# Allegro board A527_draft_V1_0.brd (continued)
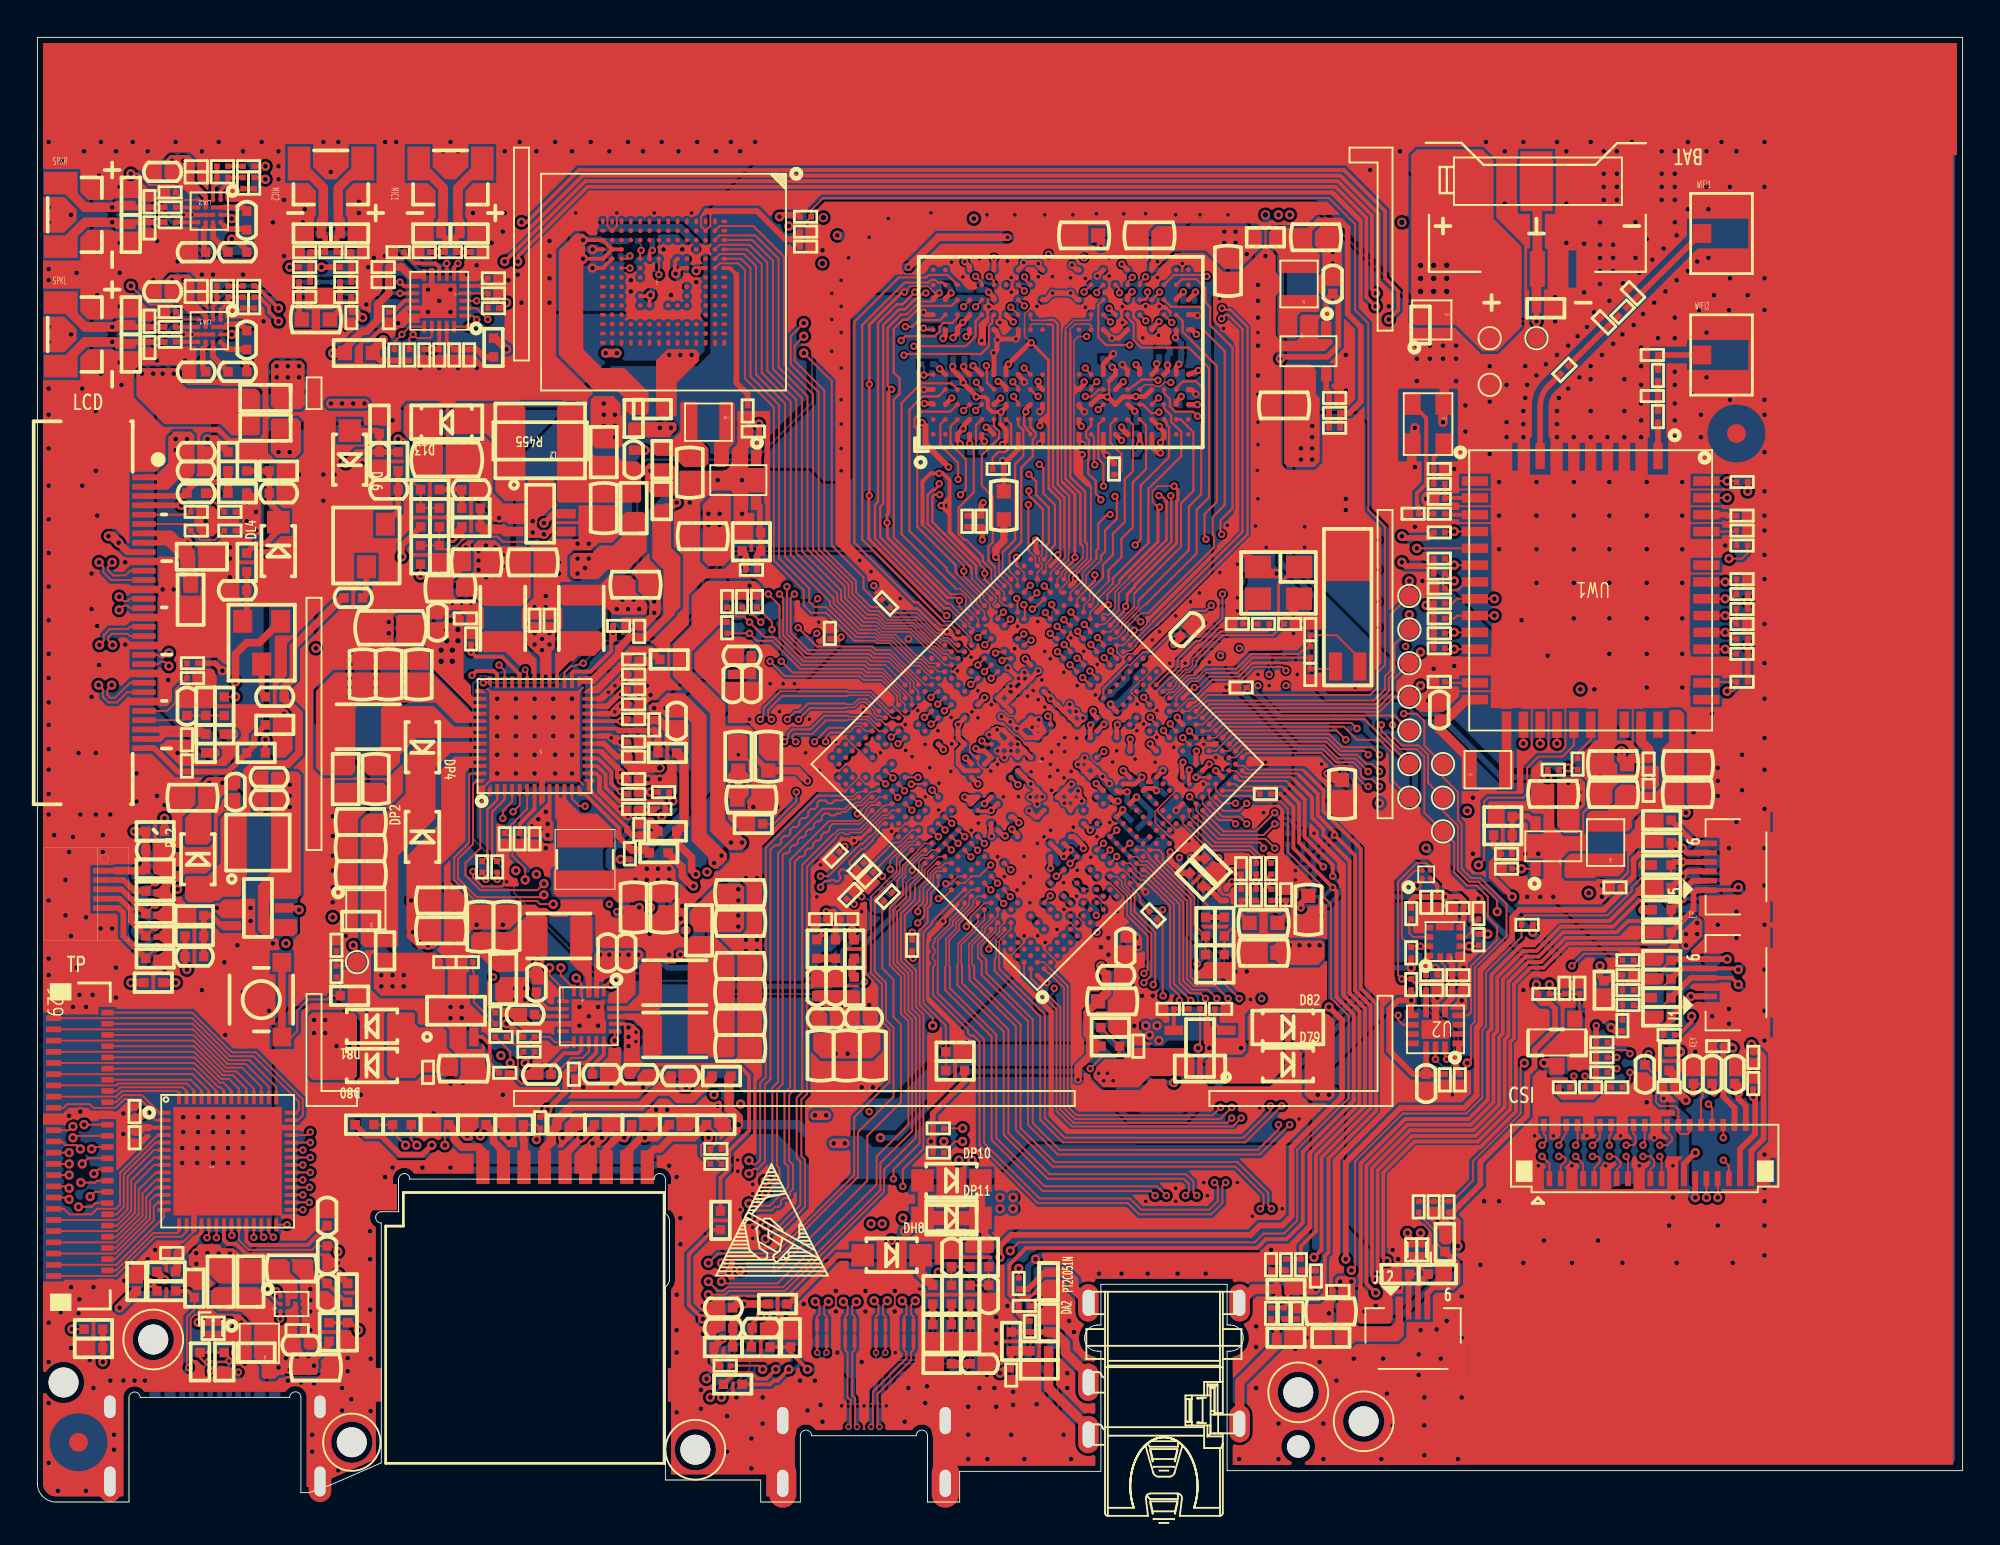
[diagram p0: board, top side]
## Copper pours and planes (outline as drawn; the poured copper is in the pictures) (continued)
CLDO1 on TOP (solid shape): 34.58,43.3 34.61,43.29 35.79,42.11 35.8,42.1 35.8,42.08 35.8,35.82 35.8,35.8 35.81,35.79 36.89,34.71 36.9,34.69 36.9,34.42 36.89,34.39 36.41,33.91 36.39,33.9 36.21,33.9 36.19,33.91 36.17,33.92 36.07,34.04 35.9,34.15 35.9,34.48 35.9,34.5 35.89,34.51 35.01,35.39 35,35.41 35,36.13 35,39.87 35,41.68 35,41.7 34.99,41.71 34.71,41.99 34.7,42 34.68,42 33.62,42 33.59,42.01 33.41,42.19 33.4,42.2 33.38,42.2 32.92,42.2 32.89,42.21 32.71,42.39 32.7,42.41 32.7,42.58 32.71,42.61 32.89,42.79 32.91,42.8 33.18,42.8 33.2,42.8 33.21,42.81 33.69,43.29 33.71,43.3
CLDO1 on BOTTOM (solid shape): outline of 189 points within 41.1,19.9 62.6,32.1
CLDO1 on BOTTOM (solid shape): outline of 1121 points within 6.4,39.6 35.7,63.6
CLDO1 on ART03 (solid shape): outline of 94 points within 30.6,42 40,61.7
CLDO1 on ART04 (solid shape): 38.48,34.9 38.5,34.9 38.51,34.89 39.69,33.71 39.7,33.7 39.7,33.68 39.7,23.72 39.7,23.7 39.71,23.69 42.49,20.91 42.5,20.9 42.5,20.88 42.5,20.62 42.5,20.6 42.49,20.59 42.31,20.41 42.3,20.4 42.28,20.4 41.42,20.4 41.4,20.4 41.39,20.41 38.81,22.99 38.8,23 38.8,23.02 38.8,24.72 38.81,24.75 38.9,25 38.81,25.25 38.8,25.28 38.8,26.22 38.81,26.25 38.9,26.5 38.81,26.75 38.8,26.78 38.8,29.22 38.81,29.25 38.9,29.5 38.81,29.75 38.81,29.85 38.9,30.1 38.81,30.35 38.8,30.38 38.8,33.12 38.81,33.15 38.9,33.4 38.81,33.65 38.8,33.7 38.79,33.71 38.61,33.89 38.6,33.9 38.58,33.9 36.21,33.9 36.19,33.91 36.17,33.92 36.07,34.04 35.9,34.15 35.9,34.48 35.9,34.5 35.91,34.51 36.29,34.89 36.3,34.9 36.32,34.9
CLDO1 on ART04 (solid shape): outline of 403 points within 51.71,29.4 60,36.8
CLDO3 on TOP (solid shape): 38.38,49.3 38.4,49.3 38.41,49.29 38.69,49.01 38.7,49 38.7,48.98 38.7,48.42 38.7,48.4 38.69,48.39 38.61,48.31 38.6,48.3 38.58,48.3 36.62,48.3 36.6,48.3 36.59,48.29 36.51,48.21 36.5,48.2 36.5,48.18 36.5,47.02 36.5,47 36.49,46.99 35.01,45.51 35,45.5 35,45.48 35,44.52 35,44.5 35.01,44.49 36.79,42.71 36.8,42.7 36.8,42.68 36.8,39.02 36.8,37.68 36.8,36.52 36.8,36.5 36.81,36.49 37.89,35.41 37.9,35.4 37.9,35.38 37.9,35.12 37.9,35.1 37.89,35.09 37.71,34.91 37.7,34.9 37.68,34.9 37.02,34.9 37,34.9 36.99,34.91 36.01,35.89 36,35.9 36,35.92 36,42.18 36,42.2 35.99,42.21 34.01,44.19 34,44.2 34,44.22 34,45.88 34,45.9 34.01,45.91 34.99,46.89 35,46.9 35,46.92 35,48.48 35,48.5 35.01,48.51 35.79,49.29 35.8,49.3 35.82,49.3
CLDO3 on BOTTOM (solid shape): outline of 542 points within 41.3,17.3 73.8,37.8
CLDO3 on ART03 (solid shape): outline of 98 points within 29.9,61 34.9,66.3
CLDO3 on ART04 (solid shape): outline of 301 points within 18,48.1 39.1,62.8
DCDC1 on TOP (solid shape): 33.77,34.2 33.79,34.2 33.8,34.19 34.14,33.85 34.15,33.84 34.15,33.82 34.15,33.37 34.15,33.36 34.16,33.34 34.19,33.32 34.2,33.3 34.2,33.29 34.2,32.42 34.2,32.4 34.19,32.39 33.91,32.11 33.9,32.1 33.88,32.1 33.11,32.1 33.08,32.11 32.82,32.23 32.55,32.14 32.45,32.14 32.18,32.23 31.92,32.11 31.89,32.1 31.02,32.1 31,32.1 30.99,32.11 30.71,32.39 30.7,32.4 30.68,32.4 27.82,32.4 27.8,32.4 27.79,32.41 27.61,32.59 27.6,32.6 27.6,32.62 27.6,33.78 27.6,33.8 27.61,33.81 27.69,33.89 27.7,33.9 27.73,33.9 27.76,33.89 27.78,33.86 27.78,33.78 30.8,33.78 30.8,33.86 30.82,33.89 30.85,33.9 31.88,33.9 31.9,33.9 31.91,33.91 32.19,34.19 32.2,34.2 32.22,34.2
DCDC1 on BOTTOM (solid shape): outline of 1275 points within 31.75,32.3 54.39,45.8
DCDC1 on ART03 (solid shape): outline of 604 points within 31.5,32.7 53.91,45.5
DCDC2 on TOP (solid shape): 24.8,51.17 26.1,51.17 26.4,50.87 26.4,48.47 25.9,47.97 23.9,47.97 23.4,48.47 22.5,48.47 22.4,48.57 22.4,49.27 22.8,49.67 23.2,49.67 23.35,49.82 23.35,51.22 23.6,51.47 24.5,51.47
DCDC2 on BOTTOM (solid shape): outline of 3513 points within 15,21.9 56.52,53.7
DCDC2 on ART04 (solid shape): outline of 340 points within 49.3,35.42 56.4,40.6
DCDC3 on TOP (solid shape): 32,49.3 32,48.7 32.6,48.1 32.6,47.6 32.5,47.5 30.8,47.5 30.3,48 28.1,48 28,48.1 28,49 28.1,49.1 30.1,49.1 30.6,49.6 31.7,49.6
DCDC3 on BOTTOM (solid shape): outline of 7748 points within 30.7,43.1 63.6,67.6
PA-VDD on TOP (solid shape): 7.38,60.7 7.4,60.7 7.41,60.69 7.59,60.51 7.6,60.5 7.6,60.48 7.6,60.02 7.6,60 7.61,59.99 7.99,59.61 8,59.6 8.02,59.6 11.68,59.6 11.7,59.6 11.71,59.59 11.89,59.41 11.9,59.4 11.9,59.38 11.9,57.22 11.9,57.2 11.89,57.19 11.81,57.11 11.8,57.1 11.78,57.1 10.42,57.1 10.4,57.1 10.39,57.11 9.81,57.69 9.8,57.7 9.78,57.7 6.82,57.7 6.8,57.7 6.79,57.71 5.31,59.19 5.3,59.2 5.3,59.22 5.3,60.48 5.3,60.5 5.31,60.51 5.49,60.69 5.5,60.7 5.52,60.7
PA-VDD on ART03 (solid shape): outline of 586 points within 5.4,60.1 8.8,72.1
PS on TOP (solid shape): 82.8,38.5 82.8,37.3 82.5,37 82.5,35.9 82.4,35.8 81.7,35.8 81.3,36.2 81.3,38.5 81.6,38.8 82.5,38.8
PS on TOP (solid shape): 14.3,60.9 14.3,58.7 14.1,58.5 12.7,58.5 12.5,58.7 12.5,60.9 12.7,61.1 14.1,61.1
PS on TOP (solid shape): 32.6,52.8 32.6,50.9 31.6,49.9 30.5,49.9 30,49.4 28.7,49.4 28.5,49.6 28.5,50.6 28.7,50.8 29.7,50.8 30.1,51.2 30.8,51.2 31.3,51.7 31.3,52.8 31.5,53 32.4,53
PS on TOP (solid shape): 27.3,38.12 27.4,38.22 27.5,38.12 27.5,36.5 27.6,36.4 27.6,35.5 27.5,35.4 27.2,35.4 27,35.6 26.4,35.6 26.2,35.8 26.2,36.34 27.3,37.44
PS on TOP (solid shape): 27.7,47 27.7,45.7 27.5,45.5 27.5,43.88 27.4,43.78 27.3,43.88 27.3,44.26 27.26,44.3 27.14,44.3 27.1,44.26 27.1,43.88 27,43.78 26.9,43.88 26.9,45.2 26.2,45.9 26.2,46.9 26.4,47.1 27.6,47.1
PS on TOP (solid shape): 23.2,42.3 23.72,42.3 23.82,42.2 23.72,42.1 23.34,42.1 23.3,42.06 23.3,41.94 23.34,41.9 23.72,41.9 23.82,41.8 23.72,41.7 22.4,41.7 21.3,42.8 17.3,42.8 17,42.5 17,39.1 16.8,38.9 15.3,38.9 14.9,39.3 14.9,43.4 15.9,44.4 21.1,44.4
PS on TOP (solid shape): 30.9,29.5 31.1,29.5 31.9,29.5 32.28,29.5 32.3,29.5 32.31,29.49 32.39,29.41 32.4,29.4 32.4,29.38 32.4,29.22 32.4,29.2 32.39,29.19 32.01,28.81 32,28.8 32,28.78 32,27.22 32,27.2 31.99,27.19 31.51,26.71 31.5,26.7 31.48,26.7 30.62,26.7 30.6,26.7 30.59,26.71 30.51,26.79 30.5,26.8 30.5,26.82 30.5,26.88 30.51,26.91 30.55,26.92 30.56,27.16 30.69,27.29 30.72,27.3 30.99,27.43 31.1,27.71 31.1,27.78 31.1,27.8 31.08,27.83 30.81,28.08 30.45,28.01 30.4,28 30.39,27.99 30.26,27.86 30.09,27.85 30.06,27.84 30.05,27.81 30.05,27.05 30.04,27.01 30.01,27 29.85,27 29.81,27.01 29.8,27.05 29.8,29.28 29.8,29.3 29.81,29.31 29.99,29.49 30,29.5 30.02,29.5
PS on BOTTOM (solid shape): outline of 294 points within 25.8,28.5 32.5,44.4
PS on BOTTOM (solid shape): outline of 1525 points within 67.3,28.6 89.2,58.25
PS on ART03 (solid shape): outline of 191 points within 26,43.1 37,53.6
PS on ART03 (solid shape): outline of 525 points within 4,42.8 20.2,62.8
PS on ART04 (solid shape): 32.18,29.8 32.2,29.8 32.21,29.79 32.54,29.46 32.55,29.45 32.55,29.43 32.55,29.28 32.56,29.26 32.57,29.25 33.69,28.13 33.7,28.09 33.7,24.42 33.7,24.4 33.69,24.39 33.41,24.11 33.4,24.1 33.38,24.1 31.52,24.1 31.5,24.1 31.49,24.11 31.21,24.39 31.2,24.4 31.21,24.46 31.29,24.7 31.21,24.94 31.2,24.96 31.2,27.48 31.11,27.59 31.09,27.63 30.98,27.98 30.63,28.09 30.59,28.11 29.81,28.89 29.8,28.9 29.8,28.92 29.8,29.38 29.8,29.4 29.81,29.41 30.19,29.79 30.2,29.8 30.22,29.8
PS on ART04 (solid shape): outline of 902 points within 12.5,55.5 69,71.9
PS on ART04 (solid shape): outline of 2087 points within 16,35.4 31.8,47.8
SW on TOP (solid shape): 22.3,41.5 23.72,41.5 23.82,41.4 23.72,41.3 23.34,41.3 23.3,41.26 23.3,41.14 23.34,41.1 23.72,41.1 23.82,41 23.72,40.9 20.3,40.9 19.4,40 19.4,39.6 18.7,38.9 17.7,38.9 17.5,39.1 17.5,39.9 17.7,40.1 18,40.1 18.4,40.5 18.4,42.5 18.5,42.6 21.2,42.6
TS on TOP (solid shape): 81.05,69.1 79.35,69.1 79.35,72.3 81.05,72.3
USB-VBUS on TOP (solid shape): outline of 104 points within 9.3,6.6 15,11.5
USB-VBUS on BOTTOM (solid shape): outline of 965 points within 4.1,5.65 17.4,26.4
VLED+ on ART03 (solid shape): outline of 284 points within 7,56 21.79,59.5
VMID on TOP (solid shape): 23.72,40.7 23.82,40.6 23.72,40.5 23.34,40.5 23.3,40.46 23.3,40.34 23.34,40.3 23.72,40.3 23.82,40.2 23.72,40.1 22.1,40.1 21.3,39.3 21.3,36.6 19.3,34.6 19.3,29.8 19.2,29.7 17.5,29.7 17.3,29.9 17.3,36.5 17.65,36.85 18.65,36.85 19.7,37.9 19.7,39.9 20.5,40.7
N1087342 on TOP (solid shape): 18.7,38.3 18.7,37.5 18.5,37.3 16,37.3 15.9,37.4 15.9,38.4 16,38.5 18.5,38.5
N1094712 on TOP (solid shape): 30.2,46.5 30.2,45.7 29.8,45.3 28.95,45.3 28.65,45 28.5,45 27.9,44.4 27.9,43.88 27.8,43.78 27.7,43.88 27.7,45.4 27.9,45.6 27.9,46.5 28,46.6 30.1,46.6
N1095302 on TOP (solid shape): 26,46.5 26,45.8 26.7,45.1 26.7,43.88 26.6,43.78 26.5,43.88 26.5,44.3 26.4,44.4 26.4,44.42 26.29,44.81 25.89,44.8 25.82,44.77 25.75,44.8 25.45,45.1 25.45,45.1 25.05,45.5 23.9,45.5 23.8,45.6 23.8,46.5 23.9,46.6 25.9,46.6
N1096390 on TOP (solid shape): 28.1,38.12 28.2,38.22 28.3,38.12 28.3,37.6 29.05,36.85 29.95,36.85 30.8,36 30.8,35.1 27.8,35.1 27.8,36.5 27.7,36.6 27.7,38.12 27.8,38.22 27.9,38.12 27.9,37.74 27.94,37.7 28.06,37.7 28.1,37.74
N17036516 on TOP (solid shape): 84.85,34.7 84.89,34.69 84.9,34.65 84.9,33.82 84.9,33.8 84.89,33.79 84.61,33.51 84.6,33.5 84.58,33.5 84.22,33.5 83.42,33.5 83.4,33.5 83.39,33.49 83.31,33.41 83.3,33.4 83.28,33.4 81.82,33.4 81.8,33.4 81.79,33.41 81.71,33.49 81.7,33.5 81.7,33.52 81.7,34.38 81.7,34.4 81.71,34.41 81.99,34.69 82,34.7 82.02,34.7
N18121847 on TOP (solid shape): 10.98,36.9 11,36.9 11.01,36.89 11.19,36.71 11.2,36.7 11.2,36.68 11.2,33.52 11.2,33.5 11.19,33.49 10.91,33.21 10.9,33.2 10.9,33.18 10.9,32.52 10.9,32.5 10.89,32.49 10.81,32.41 10.8,32.4 10.78,32.4 9.92,32.4 9.9,32.4 9.89,32.39 9.71,32.21 9.67,32.19 9.5,32.19 9.32,32.1 8.12,32.1 8.1,32.1 8.09,32.11 7.91,32.29 7.9,32.3 7.9,32.32 7.9,33.38 7.9,33.4 7.91,33.41 7.99,33.49 8,33.5 8.02,33.5 9.08,33.5 9.1,33.5 9.11,33.51 9.79,34.19 9.8,34.2 9.8,34.22 9.8,36.58 9.8,36.6 9.81,36.61 9.99,36.79 10.03,36.81 10.16,36.8 10.28,36.84 10.3,36.85 10.43,36.85 10.44,36.85 10.46,36.86 10.48,36.89 10.5,36.9 10.51,36.9
N18233780 on TOP (solid shape): 68.2,68.1 68.2,67.2 68.6,66.8 68.6,65.9 68.5,65.8 66.5,65.8 66.4,65.9 66.4,66.8 65.9,67.3 65.9,68 66.1,68.2 68.1,68.2
N18233794 on TOP (solid shape): 68.6,64.5 68.6,63.8 68.5,63.7 67.6,63.7 67.4,63.5 67.4,62.4 67.3,62.3 66.6,62.3 66.4,62.5 66.4,64.5 66.5,64.6 68.5,64.6
N18513421 on TOP (solid shape): 33.28,28.9 33.3,28.9 33.31,28.89 33.39,28.81 33.4,28.8 33.4,28.78 33.4,26.52 33.4,26.5 33.39,26.49 33.21,26.31 33.2,26.3 33.18,26.3 30.52,26.3 30.48,26.33 30.48,26.34 30.48,26.5 30.49,26.54 30.52,26.55 31.54,26.55 31.56,26.55 31.58,26.56 32.15,27.14 32.15,27.15 32.19,27.19 32.2,27.2 32.2,27.22 32.2,28.68 32.2,28.7 32.21,28.71 32.39,28.89 32.4,28.9 32.42,28.9
N18513498 on TOP (solid shape): 29.58,31.4 29.6,31.4 29.61,31.39 29.69,31.31 29.7,31.3 29.7,31.28 29.7,29.43 29.66,29.38 29.65,29.36 29.65,29.34 29.65,27.07 29.65,27.05 29.64,27.04 29.61,27.01 29.6,27 29.58,27 29.42,27 29.4,27 29.39,27.01 29.36,27.04 29.35,27.05 29.35,27.07 29.35,27.81 29.34,27.84 29.3,27.85 29.3,28.08 29.3,28.1 29.29,28.11 29.19,28.21 29.19,28.21 29.11,28.33 28.99,28.42 28.98,28.42 28.51,28.89 28.5,28.9 28.5,28.92 28.5,29.28 28.51,29.28 28.51,31.29 28.51,31.31 28.52,31.32 28.59,31.39 28.6,31.4 28.62,31.4

Small or netless copper shapes (teardrops, artwork), in the pictures only: 40 on TOP, 8 on BOTTOM, 5 on ART03, 3 on ART04

## Text on the board
Ref Des/Silkscreen Bottom: VCC | INT | SCK | SDA | RST | LED | PS | HALL
Ref Des/Silkscreen Top: SPKR | SPKL | WIFI2 | WIFI1 | EP | KEY | MIC2 | MIC1 | TP | LCD | CSI | BAT
User.29: FIGURE | SIZE | 0.2 | 0.25 | 0.3 | 1.2 | 1.6 | 1.2x0.6 | 1.4x0.5999 | 1.45x0.6 | 1.6x0.6 | DRILL CHART: TOP to BOTTOM | ALL UNITS ARE IN MILLIMETERS | PLATED | NON-PLATED | QTY | 866 | 1378 | 34 | 1 | 6 | 2 | 5 | 4
